# KiCad board [DFR1144][M027.00940](V1.0.0).kicad_pcb (continued)
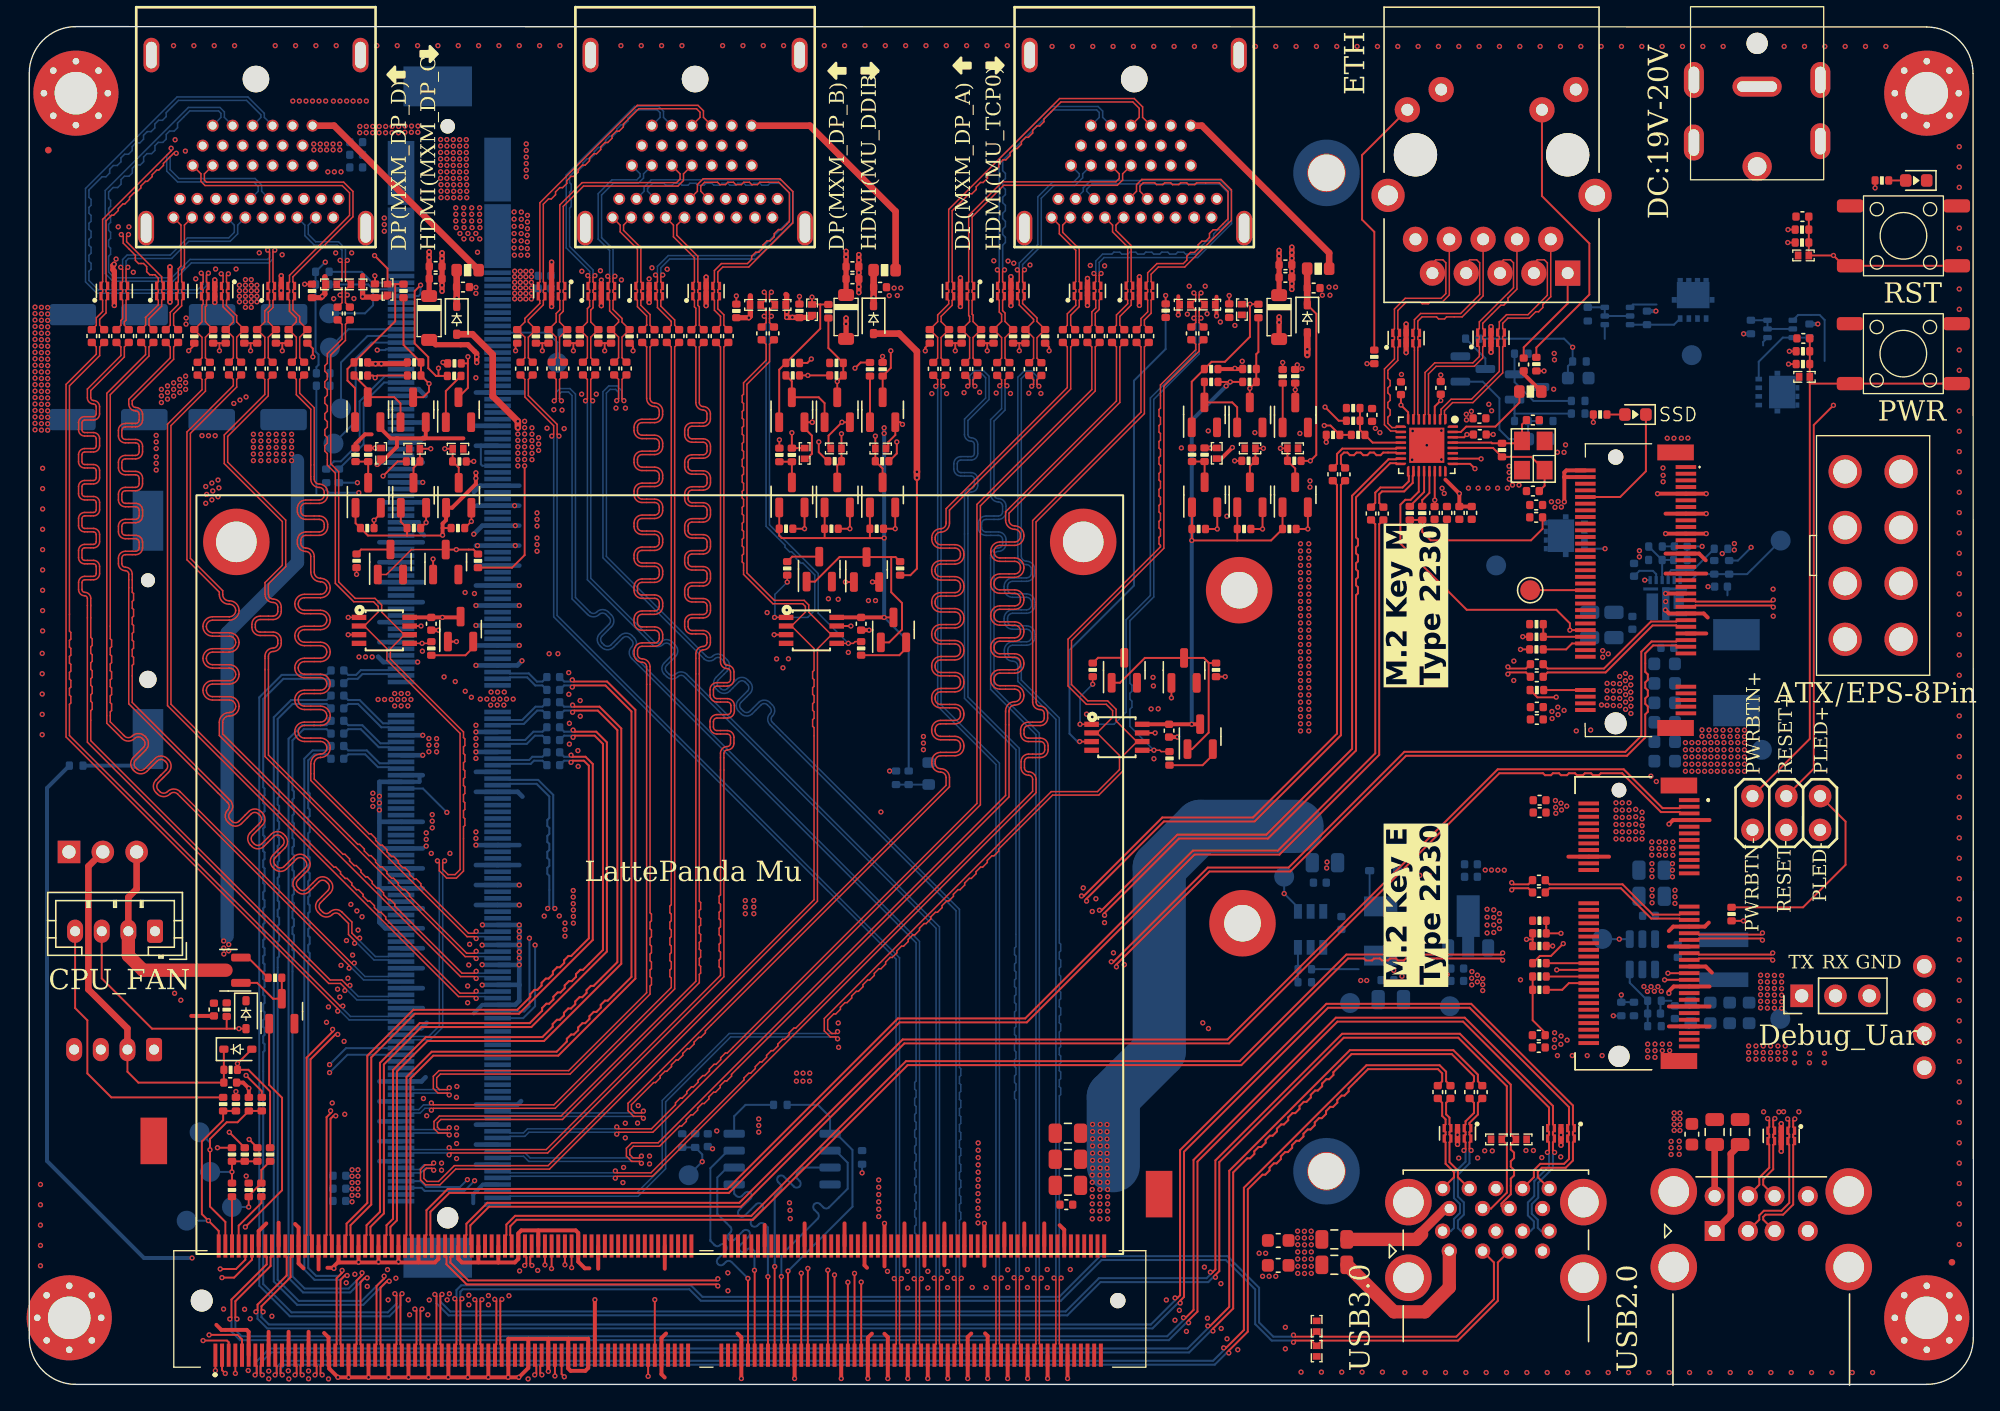
[diagram p0: board, top side]
## Routing (per net, layer and track width the routed paths; a pad name or vN(x,y) marks a point on that pad's centre or on a via; arc(x,y) is an arc through that point) (continued)
  In8.SIG4 w0.117: J11.265 36,17.51 36.12,17.39 37.23,17.39 37.61,17.01 45.83,17.01 v1(45.97,17.15)
/HDMI+DPA/MXM_DPA_TX2_DP: length 108.9
  In1.SIG1 w0.117: C152.1 81.64,77.94 81.64,73.88 73.32,65.55 73.32,64.92 arc(73.52,64.44) 74.01,64.24 arc(74.31,64.11) 74.43,63.81 74.43,63.71 arc(74.31,63.41) 74.01,63.29 72.89,63.29 arc(72.41,63.08) 72.2,62.6 72.2,62.51 arc(72.41,62.03) 72.89,61.83 74.01,61.83 arc(74.31,61.7) 74.44,61.4 74.44,61.32 arc(74.31,61.01) 74.01,60.89 72.89,60.89 arc(72.41,60.68) 72.2,60.2 72.2,60.11 arc(72.41,59.63) 72.89,59.43 74.01,59.43 arc(74.31,59.3) 74.44,59 74.44,58.92 arc(74.31,58.61) 74.01,58.49 72.89,58.49 arc(72.41,58.28) 72.2,57.8 72.2,57.71 arc(72.41,57.23) 72.89,57.03 74.01,57.03 arc(74.31,56.9) 74.44,56.6 74.44,56.52 arc(74.31,56.21) 74.01,56.09 72.89,56.09 arc(72.41,55.88) 72.2,55.4 72.2,55.31 arc(72.41,54.83) 72.89,54.63 74.01,54.63 arc(74.31,54.5) 74.44,54.2 74.44,54.12 arc(74.31,53.81) 74.01,53.69 72.89,53.69 arc(72.41,53.48) 72.2,53 72.2,52.92 arc(72.41,52.43) 72.89,52.23 74.01,52.23 arc(74.31,52.1) 74.43,51.8 74.43,51.71 arc(74.31,51.41) 74.01,51.29 arc(73.52,51.08) 73.32,50.6 73.32,44.24 47.23,18.15 45.25,18.15 44.84,17.74 44.84,17.15 45.24,16.75 45.83,16.75 v1(45.97,16.61)
  In8.SIG4 w0.117: v1(45.97,16.61) 45.83,16.75 37.51,16.75 37.12,17.13 36.12,17.13 36,17.01 J11.267
/HDMI+DPA/MXM_DPA_TX3_DN: length 95.1
  In1.SIG1 w0.117: v1(44.01,16.03) 44.15,15.89 46.69,15.89 53.67,22.88 53.67,23.02 54.02,23.37 54.17,23.37 54.52,23.72 54.52,23.87 54.87,24.22 55.02,24.22 55.37,24.57 55.37,24.72 55.72,25.07 55.87,25.07 56.22,25.42 56.22,25.57 56.57,25.92 56.72,25.92 57.07,26.27 57.07,26.42 57.42,26.77 57.56,26.77 58.22,27.42 75.35,44.55 75.35,45.46 arc(75.26,45.67) 75.04,45.76 arc(74.65,45.93) 74.48,46.33 74.48,46.78 arc(74.65,47.18) 75.04,47.35 75.93,47.35 arc(76.16,47.44) 76.26,47.67 76.26,47.97 arc(76.16,48.2) 75.93,48.29 75.03,48.29 arc(74.62,48.46) 74.45,48.87 74.45,49.17 arc(74.62,49.58) 75.03,49.75 75.92,49.75 arc(76.13,49.84) 76.22,50.06 76.22,50.38 arc(76.13,50.6) 75.92,50.69 arc(75.52,50.86) 75.35,51.26 75.35,64.89 83.49,73.03 83.49,77.94 C155.1
  In8.SIG4 w0.117: J11.271 36,16.01 36.12,15.89 43.87,15.89 v1(44.01,16.03)
/HDMI+DPA/MXM_DPA_TX3_DP: length 95.1
  In1.SIG1 w0.117: v1(44.01,15.49) 44.15,15.63 46.79,15.63 75.61,44.45 75.61,45.46 arc(75.44,45.85) 75.04,46.02 arc(74.83,46.11) 74.74,46.33 74.74,46.78 arc(74.83,47) 75.04,47.09 75.93,47.09 arc(76.34,47.26) 76.51,47.67 76.51,47.97 arc(76.34,48.38) 75.93,48.55 75.03,48.55 arc(74.8,48.64) 74.7,48.87 74.7,49.17 arc(74.8,49.4) 75.03,49.49 75.92,49.49 arc(76.31,49.66) 76.48,50.06 76.48,50.38 arc(76.31,50.78) 75.92,50.95 arc(75.7,51.04) 75.61,51.26 75.61,64.79 83.74,72.92 83.74,77.94 C154.1
  In8.SIG4 w0.117: J11.273 36,15.51 36.12,15.63 43.87,15.63 v1(44.01,15.49)
/HDMI+DPA/TMDS_0_CK+: length 32.6
  In1.SIG1 w0.117: C7.2 68.48,77.1 68.48,78.65 R9.1 68.48,79.84 68.48,80.23 69.31,81.07 69.31,81.43 69.43,81.55 U1.7 69.43,81.93 69.31,82.05 69.31,82.21 69.43,82.33 U1.4 69.43,82.7 69.31,82.83 69.31,88.17 70.58,89.44 70.79,89.44 71.11,89.76 71.11,89.97 71.43,90.29 71.64,90.29 71.96,90.61 71.96,90.82 72.28,91.14 72.49,91.14 72.81,91.46 72.81,91.67 73.13,91.99 73.34,91.99 73.66,92.31 73.66,92.52 73.98,92.84 74.19,92.84 74.51,93.16 74.51,93.37 74.83,93.69 75.03,93.69 75.35,94.01 75.35,94.21 75.68,94.54 75.88,94.54 76.2,94.86 76.2,95.06 77.48,96.34 82.88,96.34 83.35,95.87 83.35,95.18 U31.H10
/HDMI+DPA/TMDS_0_CK-: length 32.6
  In1.SIG1 w0.117: U31.H12 83.61,95.18 83.61,95.97 82.98,96.6 77.37,96.6 69.05,88.27 69.05,82.83 68.93,82.7 U1.5 68.93,82.33 69.05,82.21 69.05,82.05 68.93,81.93 U1.6 68.93,81.55 69.05,81.43 69.05,81.17 68.22,80.34 68.22,79.84 R8.1 68.22,78.65 68.22,77.1 C8.2
/HDMI+DPA/TMDS_0_D0+: length 25.6
  In1.SIG1 w0.117: C5.2 70.62,77.1 70.62,78.64 R11.1 70.62,79.84 70.62,80.22 70.55,80.29 70.55,81.43 70.43,81.55 U1.9 70.43,81.93 70.55,82.05 70.55,82.21 70.43,82.33 U1.2 70.43,82.7 70.55,82.83 70.55,87.81 73.08,90.34 81.61,90.34 81.85,90.58 81.85,90.94 U31.H7
/HDMI+DPA/TMDS_0_D0-: length 25.6
  In1.SIG1 w0.117: U31.H9 82.11,90.94 82.11,90.48 81.71,90.08 73.18,90.08 70.81,87.71 70.81,82.83 70.93,82.7 U1.1 70.93,82.33 70.81,82.21 70.81,82.05 70.93,81.93 U1.10 70.93,81.55 70.81,81.43 70.81,80.4 70.88,80.33 70.88,79.84 R10.1 70.88,78.64 70.88,77.1 C6.2
/HDMI+DPA/TMDS_0_D1+: length 27.2
  In1.SIG1 w0.117: v1(73.24,83.73) 73.1,83.58 73.1,82.83 73.22,82.71 U2.9 73.22,82.34 73.1,82.22 73.1,82.06 73.22,81.94 U2.2 73.22,81.56 73.1,81.44 73.1,80.66 73.28,80.48 73.28,79.85 R15.1 73.28,78.64 73.28,77.09 C3.2
  In8.SIG4 w0.117: U31.H4 80.35,95.18 80.35,95.55 80.16,95.74 76.89,95.74 73.1,91.95 73.1,91.18 73.3,90.98 73.3,90.58 73.1,90.38 73.1,89.98 73.3,89.78 73.3,89.38 73.1,89.18 73.1,88.78 73.3,88.58 73.3,88.18 73.1,87.98 73.1,87.58 73.3,87.38 73.3,86.98 73.1,86.78 73.1,86.38 73.3,86.18 73.3,85.78 73.1,85.58 73.1,83.87 v1(73.24,83.73)
/HDMI+DPA/TMDS_0_D1-: length 27.2
  In1.SIG1 w0.117: C4.2 73.02,77.09 73.02,78.64 R14.1 73.02,79.85 73.02,80.38 72.84,80.56 72.84,81.44 72.72,81.56 U2.1 72.72,81.94 72.84,82.06 72.84,82.22 72.72,82.34 U2.10 72.72,82.71 72.84,82.83 72.84,83.58 v1(72.7,83.73)
  In8.SIG4 w0.117: v1(72.7,83.73) 72.84,83.87 72.84,92.05 76.79,96 80.26,96 80.61,95.65 80.61,95.18 U31.H6
/HDMI+DPA/TMDS_0_D2+: length 19.3
  In1.SIG1 w0.117: v1(74.2,83.73) 74.34,83.59 74.34,82.83 74.22,82.71 U2.7 74.22,82.34 74.34,82.22 74.34,82.06 74.22,81.94 U2.4 74.22,81.56 74.34,81.44 74.34,81.09 75.42,80.01 75.42,79.85 R18.1 75.42,78.63 75.42,77.08 C1.2
  In8.SIG4 w0.117: v1(74.2,83.73) 74.34,83.87 74.34,84.23 75.74,85.63 75.74,89.21 76.85,90.32 78.42,90.32 78.85,90.75 78.85,90.94 U31.H1
/HDMI+DPA/TMDS_0_D2-: length 19.3
  In1.SIG1 w0.117: v1(74.74,83.73) 74.6,83.59 74.6,82.83 74.72,82.71 U2.6 74.72,82.34 74.6,82.22 74.6,82.06 74.72,81.94 U2.5 74.72,81.56 74.6,81.44 74.6,81.19 75.68,80.11 75.68,79.85 R17.1 75.68,78.63 75.68,77.08 C2.2
  In8.SIG4 w0.117: U31.H3 79.11,90.94 79.11,90.65 78.52,90.06 76.95,90.06 76,89.11 76,85.53 74.6,84.13 74.6,83.87 v1(74.74,83.73)
/HDMI+DPA/TMDS_0_HPD: length 27.6
  In1.SIG1 w0.15: R12.2 D2.2
  In6.SIG3 w0.15: v1(88.72,70.34) 92.28,73.9 92.28,89.74 90.46,91.56 U31.H19
/HDMI+DPA/TMDS_0_SCL: length 31
  In1.SIG1 w0.15: Q2.3 91.67,68.97 R16.2 D1.2 92.08,70.32 v1(92.68,70.32)
  In6.SIG3 w0.15: v1(92.68,70.32) 92.68,89.76 90.21,92.24 86.41,92.24 U31.H15
/HDMI+DPA/TMDS_0_SDA: length 32.5
  In1.SIG1 w0.15: v1(93.96,70.32) D3.2 94.49,70.31 R19.2 95.07,68.8 Q3.3
  In6.SIG3 w0.15: U31.H16 86.41,93.89 88.98,93.89 93.05,89.82 93.05,71.23 v1(93.96,70.32)
/HDMI+DPB/ACT_DONGLE_DET_DPB: length 15.7
  In1.SIG1 w0.15: R130.2 65.05,62.15 64.73,62.15 ; 64.73,62.15 64.73,59.51 65.54,58.7 65.54,56.7 64.58,55.74 Q27.1 ; 64.73,62.15 Q28.3 60.85,62.15 59,60.31 Q26.1
/HDMI+DPB/ACT_DONGLE_DET_DPB_N: length 45.8
  In1.SIG1 w0.15: R25.1 v1(53.1,81.77) ; Q28.1 v1(61.29,60.28) ; U22.7 v1(61.7,56.97) ; U22.3 v1(55.94,56.32)
  In6.SIG3 w0.15: U11.D13 51.8,83.97 53.1,82.67 v1(53.1,81.77) 53.1,59.16 v1(55.94,56.32) 61.05,56.32 v1(61.7,56.97) 61.7,59.87 v1(61.29,60.28)
/HDMI+DPB/DPB_AUX+: length 41.4
  In1.SIG1 w0.117: R128.1 v1(56.92,60.27) ; U22.1 55.97,57.62 ; C18.2 55.33,79.77 55.33,80.1 v1(55.19,80.24) 55.33,80.39 55.33,80.59 55.33,80.69 D6.2 55.33,81.5 55.33,81.91 v1(55.19,82.05)
  In6.SIG3 w0.117: v1(55.19,82.05) 55.33,82.19 55.33,83.54 53.67,85.2 53.67,87.09 U11.D15
  In8.SIG4 w0.117: v1(56.92,60.27) 56,59.34 56,57.64 v1(55.97,57.62) 58.46,57.62 58.99,58.15 58.99,60.81 58.1,61.7 57.95,61.7 57.6,62.05 57.6,62.2 57.25,62.55 57.1,62.55 56.75,62.89 56.75,63.05 55.33,64.46 55.33,80.1 v1(55.19,80.24)
/HDMI+DPB/DPB_AUX-: length 38.8
  In1.SIG1 w0.117: C80.2 55.59,79.77 55.59,80.1 v1(55.73,80.24) 55.59,80.39 55.59,80.69 D5.2 55.59,81.5 55.59,81.91 v1(55.73,82.05) ; R129.1 62.02,55.8 61.89,55.67 v1(61.51,55.67) ; U22.5 61.51,55.67
  In6.SIG3 w0.117: U11.D17 53.93,87.09 53.93,85.3 55.59,83.64 55.59,82.19 v1(55.73,82.05)
  In8.SIG4 w0.117: v1(55.73,80.24) 55.59,80.1 55.59,64.57 59.25,60.91 59.25,57.93 v1(61.51,55.67)
/HDMI+DPB/DPB_D0+: length 9.8
  In1.SIG1 w0.117: U11.D1 44.37,87.09 44.37,86.59 45.67,85.29 45.67,82.83 45.55,82.7 U3.10 45.55,82.33 45.67,82.21 45.67,82.05 45.55,81.93 U3.1 45.55,81.55 45.67,81.43 45.67,80.96 46.36,80.26 46.36,79.57 C10.2
/HDMI+DPB/DPB_D0-: length 9.8
  In1.SIG1 w0.117: C11.2 46.62,79.57 46.62,80.37 45.93,81.06 45.93,81.43 46.05,81.55 U3.2 46.05,81.93 45.93,82.05 45.93,82.21 46.05,82.33 U3.9 46.05,82.7 45.93,82.83 45.93,85.39 44.63,86.69 44.63,87.09 U11.D3
/HDMI+DPB/DPB_D1+: length 32
  In1.SIG1 w0.117: v1(47.57,83.34) 47.43,83.2 47.43,82.83 47.55,82.7 U3.6 47.55,82.33 47.43,82.21 47.43,82.05 47.55,81.93 U3.5 47.55,81.55 47.43,81.43 47.43,81 48.47,79.96 48.47,79.57 C12.2
  In8.SIG4 w0.117: U11.D4 46.17,89.63 46.17,89.95 46.71,90.49 56.45,90.49 57.36,89.58 57.36,87.35 54.55,84.54 48.09,84.54 47.43,83.88 47.43,83.48 v1(47.57,83.34)
/HDMI+DPB/DPB_D1-: length 32
  In1.SIG1 w0.117: C13.2 48.21,79.57 48.21,79.86 47.17,80.9 47.17,81.43 47.05,81.55 U3.4 47.05,81.93 47.17,82.05 47.17,82.21 47.05,82.33 U3.7 47.05,82.7 47.17,82.83 47.17,83.2 v1(47.03,83.34)
  In8.SIG4 w0.117: U11.D6 46.43,89.63 46.43,89.85 46.81,90.23 47.67,90.23 47.81,90.08 48.27,90.08 48.41,90.23 48.87,90.23 49.01,90.08 49.47,90.08 49.61,90.23 50.07,90.23 50.21,90.08 50.67,90.08 50.81,90.23 51.27,90.23 51.41,90.08 51.87,90.08 52.01,90.23 52.47,90.23 52.61,90.08 53.07,90.08 53.21,90.23 53.67,90.23 53.81,90.08 54.27,90.08 54.41,90.23 54.87,90.23 55.01,90.08 55.47,90.08 55.61,90.23 56.35,90.23 57.1,89.48 57.1,87.45 54.45,84.8 47.99,84.8 47.17,83.98 47.17,83.48 v1(47.03,83.34)
/HDMI+DPB/DPB_D2+: length 9.7
  In1.SIG1 w0.117: U11.D7 48.37,87.09 48.37,86.22 49.95,84.64 49.95,82.83 49.83,82.7 U4.10 49.83,82.33 49.95,82.21 49.95,82.05 49.83,81.93 U4.1 49.83,81.55 49.95,81.43 49.95,80.96 50.06,80.85 50.06,79.57 C14.2
/HDMI+DPB/DPB_D2-: length 9.7
  In1.SIG1 w0.117: U11.D9 48.63,87.09 48.63,86.32 50.21,84.74 50.21,82.83 50.33,82.7 U4.9 50.33,82.33 50.21,82.21 50.21,82.05 50.33,81.93 U4.2 50.33,81.55 50.21,81.43 50.21,81.06 50.32,80.95 50.32,79.57 C15.2
/HDMI+DPB/DPB_D3+: length 23.4
  In1.SIG1 w0.117: C16.2 52.16,79.57 52.16,80.35 51.71,80.8 51.71,81.43 51.83,81.55 U4.5 51.83,81.93 51.71,82.05 51.71,82.21 51.83,82.33 U4.6 51.83,82.7 51.71,82.83 51.71,83.57 52.08,83.94 54.03,83.94 57.34,87.25 57.34,89.61 56.38,90.57 50.61,90.57 50.17,90.13 50.17,89.63 U11.D10
/HDMI+DPB/DPB_D3-: length 23.4
  In1.SIG1 w0.117: C17.2 51.91,79.57 51.91,80.24 51.45,80.7 51.45,81.43 51.33,81.55 U4.4 51.33,81.93 51.45,82.05 51.45,82.21 51.33,82.33 U4.7 51.33,82.7 51.45,82.83 51.45,83.67 51.98,84.2 53.93,84.2 54.25,84.52 54.25,84.74 54.56,85.05 54.78,85.05 55.1,85.37 55.1,85.59 55.41,85.9 55.63,85.9 55.94,86.21 55.94,86.44 56.25,86.75 56.48,86.75 57.08,87.35 57.08,89.51 56.28,90.31 54.86,90.31 54.68,90.13 54.26,90.13 54.08,90.31 53.66,90.31 53.48,90.13 53.06,90.13 52.88,90.31 52.46,90.31 52.28,90.13 51.86,90.13 51.68,90.31 50.71,90.31 50.43,90.03 50.43,89.63 U11.D12
/HDMI+DPB/DPB_HPD: length 21.2
  In1.SIG1 w0.15: 59.4,81.13 59.4,79.31 R24.1 56.32,76.23 Q6.1 ; 59.4,81.13 D7.2 58.78,81.68 v1(58.78,81.68) ; 59.4,81.13 60.01,81.13 R102.2
  In3.SIG2 w0.15: U11.D18 55.62,88.34 56.08,88.34 56.97,87.45 56.97,85.45 58.78,83.64 v1(58.78,81.68)
/HDMI+DPB/LP_DDIB_HPD: length 77
  In1.SIG1 w0.15: Q15.2 v1(58.22,64.28) R92.2 ; v1(61.48,7.67) A1.183
  In3.SIG2 w0.15: v1(61.48,7.67) 60.28,7.67 59.5,8.45 59.5,15.99 65.76,22.24 65.76,64.58 65.27,65.07 59.01,65.07 v1(58.22,64.28)
/HDMI+DPB/LP_DDIB_SCL: length 71.8
  In1.SIG1 w0.15: Q16.2 v1(61.63,64.28) R93.2 ; A1.171 58.47,2.2 v1(58.47,8.71)
  In3.SIG2 w0.15: v1(58.47,8.71) 58.47,15.38 65.46,22.37 65.46,64.46 65.14,64.77 62.12,64.77 v1(61.63,64.28)
/HDMI+DPB/LP_DDIB_SDA: length 67.5
  In1.SIG1 w0.15: Q17.2 v1(65.03,64.28) R91.2 ; v1(57.98,8.35) A1.169
  In3.SIG2 w0.15: v1(57.98,8.35) 57.98,15.31 65.03,22.37 v1(65.03,64.28)
/HDMI+DPB/LP_DDIB_TX0+: length 95.2
  In1.SIG1 w0.117: v1(70,7.97) 69.85,7.83 69.85,3.04 69.98,2.92 A1.217 ; C71.1 44.26,75.5 44.26,74.04 v1(44.12,73.9)
  In8.SIG4 w0.117: v1(44.12,73.9) 44.26,74.04 44.26,74.52 44.03,74.75 43.62,74.75 43.34,74.47 43.34,62.2 50.84,54.7 arc(51.08,54.6) 51.31,54.7 arc(51.73,54.87) 52.14,54.7 52.42,54.43 arc(52.59,54.01) 52.42,53.59 51.76,52.93 arc(51.65,52.69) 51.76,52.44 51.93,52.27 arc(52.18,52.17) 52.42,52.27 53.09,52.94 arc(53.52,53.11) 53.95,52.94 54.12,52.76 arc(54.3,52.33) 54.12,51.91 53.45,51.24 arc(53.35,50.99) 53.45,50.75 53.63,50.57 arc(53.87,50.47) 54.12,50.57 54.78,51.23 arc(55.2,51.4) 55.61,51.23 55.81,51.03 arc(55.98,50.62) 55.81,50.2 arc(55.71,49.97) 55.81,49.73 56.57,48.97 69.85,35.69 69.85,23.81 69.96,23.71 69.96,23.21 69.85,23.11 69.85,22.61 69.96,22.51 69.96,22.01 69.85,21.91 69.85,21.41 69.96,21.31 69.96,20.81 69.85,20.71 69.85,20.21 69.96,20.11 69.96,19.61 69.85,19.51 69.85,19.01 69.96,18.91 69.96,18.41 69.85,18.31 69.85,17.81 69.96,17.71 69.96,17.21 69.85,17.11 69.85,16.61 69.96,16.51 69.96,16.01 69.85,15.91 69.85,15.41 69.96,15.31 69.96,14.81 69.85,14.71 69.85,14.21 69.96,14.11 69.96,13.61 69.85,13.51 69.85,13.01 69.96,12.91 69.96,12.41 69.85,12.31 69.85,8.11 v1(70,7.97)
/HDMI+DPB/LP_DDIB_TX0-: length 95.2
  In1.SIG1 w0.117: A1.215 69.48,2.92 69.6,3.04 69.6,7.83 v1(69.46,7.97) ; v1(44.66,73.9) 44.51,74.04 44.51,75.5 C72.1
  In8.SIG4 w0.117: v1(69.46,7.97) 69.6,8.11 69.6,35.58 56.39,48.79 55.63,49.55 arc(55.46,49.97) 55.63,50.38 arc(55.73,50.62) 55.63,50.85 55.43,51.05 arc(55.2,51.15) 54.96,51.05 54.3,50.39 arc(53.87,50.21) 53.45,50.39 53.27,50.57 arc(53.09,50.99) 53.27,51.42 53.94,52.09 arc(54.04,52.33) 53.94,52.58 53.76,52.76 arc(53.52,52.86) 53.27,52.76 52.6,52.09 arc(52.18,51.91) 51.75,52.09 51.57,52.26 arc(51.4,52.69) 51.57,53.12 52.23,53.78 arc(52.33,54.01) 52.23,54.25 51.96,54.52 arc(51.73,54.61) 51.49,54.52 arc(51.08,54.34) 50.66,54.52 43.08,62.1 43.08,74.57 43.51,75.01 44.13,75.01 44.51,74.63 44.51,74.04 v1(44.66,73.9)
/HDMI+DPB/LP_DDIB_TX1+: length 87.4
  In1.SIG1 w0.117: C73.1 42.17,75.5 42.17,74.03 v1(42.31,73.89) ; v1(68.5,7.98) 68.35,7.84 68.35,3.04 68.48,2.92 A1.211
  In8.SIG4 w0.117: v1(68.5,7.98) 68.35,8.12 68.35,34.37 49.37,53.35 arc(48.95,53.52) 48.53,53.35 arc(48.29,53.25) 48.05,53.35 47.86,53.54 arc(47.76,53.78) 47.86,54.02 48.53,54.68 arc(48.7,55.1) 48.53,55.52 48.27,55.78 arc(47.85,55.95) 47.43,55.78 arc(47.19,55.68) 46.95,55.78 42.17,60.56 42.17,73.75 v1(42.31,73.89)
/HDMI+DPB/LP_DDIB_TX1-: length 87.4
  In1.SIG1 w0.117: v1(67.96,7.98) 68.1,7.84 68.1,3.04 67.98,2.92 A1.209 ; C74.1 41.91,75.5 41.91,74.03 v1(41.77,73.89)
  In8.SIG4 w0.117: v1(41.77,73.89) 41.91,73.75 41.91,60.45 46.77,55.59 arc(47.19,55.42) 47.61,55.59 arc(47.85,55.69) 48.09,55.59 48.34,55.34 arc(48.44,55.1) 48.34,54.86 47.68,54.2 arc(47.51,53.78) 47.68,53.36 47.87,53.17 arc(48.29,52.99) 48.71,53.17 arc(48.95,53.27) 49.19,53.17 68.1,34.26 68.1,8.12 v1(67.96,7.98)
/HDMI+DPB/LP_DDIB_TX2+: length 91.9
  In1.SIG1 w0.117: v1(67,7.94) 66.85,7.8 66.85,3.04 66.98,2.92 A1.205 ; v1(39.42,73.89) 39.57,74.03 39.57,75.5 C75.1
  In8.SIG4 w0.117: v1(39.42,73.89) 39.57,74.03 39.57,74.53 39.85,74.81 40.6,74.81 41.02,74.39 41.02,59.11 42.11,58.02 arc(42.36,57.92) 42.62,58.02 arc(43.06,58.2) 43.49,58.02 43.72,57.79 arc(43.9,57.36) 43.72,56.92 43.02,56.22 arc(42.91,55.96) 43.02,55.69 43.16,55.55 arc(43.42,55.44) 43.69,55.55 44.39,56.25 arc(44.82,56.44) 45.26,56.25 45.42,56.1 arc(45.6,55.66) 45.42,55.22 arc(45.31,54.97) 45.42,54.72 66.85,33.28 66.85,8.08 v1(67,7.94)
/HDMI+DPB/LP_DDIB_TX2-: length 91.9
  In1.SIG1 w0.117: C76.1 39.82,75.5 39.82,74.03 v1(39.96,73.89) ; v1(66.46,7.94) 66.6,7.8 66.6,3.04 66.48,2.92 A1.203
  In8.SIG4 w0.117: v1(66.46,7.94) 66.6,8.08 66.6,11.28 66.49,11.38 66.49,11.88 66.6,11.98 66.6,12.48 66.49,12.58 66.49,13.08 66.6,13.18 66.6,13.68 66.49,13.78 66.49,14.28 66.6,14.38 66.6,14.88 66.49,14.98 66.49,15.48 66.6,15.58 66.6,16.08 66.49,16.18 66.49,16.68 66.6,16.78 66.6,17.28 66.49,17.38 66.49,17.88 66.6,17.98 66.6,18.48 66.49,18.58 66.49,19.08 66.6,19.18 66.6,19.68 66.49,19.78 66.49,20.28 66.6,20.38 66.6,20.88 66.49,20.98 66.49,21.48 66.6,21.58 66.6,22.08 66.49,22.18 66.49,22.68 66.6,22.78 66.6,33.17 45.24,54.53 arc(45.06,54.97) 45.24,55.41 arc(45.34,55.66) 45.24,55.92 45.08,56.07 arc(44.82,56.18) 44.57,56.07 43.87,55.37 arc(43.42,55.19) 42.98,55.37 42.84,55.51 arc(42.65,55.96) 42.84,56.4 43.54,57.1 arc(43.64,57.36) 43.54,57.61 43.31,57.84 arc(43.06,57.95) 42.8,57.84 arc(42.36,57.66) 41.93,57.84 40.76,59.01 40.76,74.29 40.5,74.55 39.95,74.55 39.82,74.42 39.82,74.03 v1(39.96,73.89)
/HDMI+DPB/LP_DDIB_TX3+: length 85.6
  In1.SIG1 w0.117: C77.1 37.48,75.5 37.48,74.29 39.64,72.12 39.64,71.38 v1(39.78,71.24) ; v1(65.5,7.95) 65.35,7.81 65.35,3.04 65.48,2.92 A1.199
  In8.SIG4 w0.117: v1(39.78,71.24) 39.64,71.1 39.64,57.76 65.35,32.05 65.35,8.09 v1(65.5,7.95)
/HDMI+DPB/LP_DDIB_TX3-: length 85.6
  In1.SIG1 w0.117: v1(39.24,71.24) 39.38,71.38 39.38,72.02 37.22,74.18 37.22,75.5 C78.1 ; A1.197 64.98,2.92 65.1,3.04 65.1,7.81 v1(64.96,7.95)
  In8.SIG4 w0.117: v1(39.24,71.24) 39.38,71.1 39.38,57.66 65.1,31.94 65.1,8.09 v1(64.96,7.95)
/HDMI+DPB/MXM_DPB_AUX_N: length 91.6
  In1.SIG1 w0.117: C80.1 55.59,78.14 55.59,76.83 53.9,75.14 53.9,60.95 55.95,58.9 58.19,58.9 58.54,58.55 58.54,58.01 60.23,56.32 U22.6 60.25,56.32 59.19,55.26 59.19,36.3 39.07,16.17 32.02,16.17 30.84,14.99 29.76,14.99 29.38,15.37 29.38,16.14 29.73,16.49 30.23,16.49 v1(30.37,16.63)
  In8.SIG4 w0.117: J11.270 28.75,16.26 28.87,16.14 29.28,16.14 29.63,16.49 30.23,16.49 v1(30.37,16.63)
/HDMI+DPB/MXM_DPB_AUX_P: length 91.6
  In1.SIG1 w0.117: 57.24,56.97 58.28,58.01 58.28,58.44 58.09,58.64 55.85,58.64 53.64,60.85 53.64,61.68 53.54,61.79 53.54,62.28 53.64,62.39 53.64,62.88 53.54,62.99 53.54,63.48 53.64,63.59 53.64,64.08 53.54,64.19 53.54,64.68 53.64,64.79 53.64,65.28 53.54,65.39 53.54,65.88 53.64,65.99 53.64,66.48 53.54,66.59 53.54,67.08 53.64,67.19 53.64,67.68 53.54,67.79 53.54,68.28 53.64,68.39 53.64,68.88 53.54,68.99 53.54,69.48 53.64,69.59 53.64,70.08 53.54,70.19 53.54,70.68 53.64,70.79 53.64,71.28 53.54,71.39 53.54,71.88 53.64,71.99 53.64,72.48 53.54,72.59 53.54,73.08 53.64,73.19 53.64,73.68 53.54,73.79 53.54,74.28 53.64,74.39 53.64,75.24 55.33,76.94 55.33,78.14 C18.1 ; 57.24,56.97 58.93,55.28 58.93,53.64 58.83,53.54 58.83,53.04 58.93,52.94 58.93,52.44 58.83,52.34 58.83,51.84 58.93,51.74 58.93,51.24 58.83,51.14 58.83,50.64 58.93,50.54 58.93,50.04 58.83,49.94 58.83,49.44 58.93,49.34 58.93,36.4 38.96,16.43 31.92,16.43 30.73,15.25 29.87,15.25 29.64,15.47 29.64,16.04 29.83,16.23 30.23,16.23 v1(30.37,16.09) ; 57.24,56.97 U22.2 57.24,56.97
  In8.SIG4 w0.117: J11.272 28.75,15.76 28.87,15.88 29.39,15.88 29.73,16.23 30.23,16.23 v1(30.37,16.09)
/HDMI+DPB/MXM_DPB_HPD: length 83.5
  In1.SIG1 w0.15: Q5.3 v1(60.68,75.34) R22.2 R21.1 60.01,77.86 R102.1
  In3.SIG2 w0.15: v1(60.68,75.34) 59.94,74.61 59.94,68.25 52.92,61.23 52.92,43.39 32.9,23.37 v1(32.9,15.38)
  In8.SIG4 w0.15: v1(32.9,15.38) 32.35,14.83 29.82,14.83 29.39,15.26 J11.274
/HDMI+DPB/MXM_DPB_TX0_DN: length 97
  In1.SIG1 w0.117: v1(31.54,22.28) 31.4,22.14 30.8,22.14 30.6,22.34 30.6,23.04 30.87,23.31 40.61,23.31 46.62,29.32 46.62,29.93 46.72,30.03 46.72,30.53 46.62,30.63 46.62,31.13 46.72,31.23 46.72,31.73 46.62,31.83 46.62,32.33 46.72,32.43 46.72,32.93 46.62,33.03 46.62,33.53 46.72,33.63 46.72,34.13 46.62,34.23 46.62,34.73 46.72,34.83 46.72,35.33 46.62,35.43 46.62,53.91 arc(46.44,54.33) 46.02,54.51 arc(45.78,54.61) 45.68,54.85 45.68,55.11 arc(45.78,55.35) 46.02,55.45 46.97,55.45 arc(47.39,55.63) 47.57,56.05 47.57,56.3 arc(47.39,56.73) 46.97,56.91 46.02,56.91 arc(45.77,57.01) 45.67,57.25 45.67,57.5 arc(45.77,57.75) 46.02,57.85 46.97,57.85 arc(47.39,58.03) 47.57,58.45 47.57,58.7 arc(47.39,59.13) 46.97,59.31 46.02,59.31 arc(45.77,59.41) 45.67,59.65 45.67,59.9 arc(45.77,60.15) 46.02,60.25 46.97,60.25 arc(47.39,60.43) 47.57,60.85 47.57,61.1 arc(47.39,61.53) 46.97,61.71 46.02,61.71 arc(45.77,61.81) 45.67,62.05 45.67,62.3 arc(45.77,62.55) 46.02,62.65 46.97,62.65 arc(47.39,62.83) 47.57,63.25 47.57,63.5 arc(47.39,63.93) 46.97,64.11 46.02,64.11 arc(45.77,64.21) 45.67,64.45 45.67,64.7 arc(45.77,64.95) 46.02,65.05 46.97,65.05 arc(47.39,65.23) 47.57,65.65 47.57,65.9 arc(47.39,66.33) 46.97,66.51 46.02,66.51 arc(45.77,66.61) 45.67,66.85 45.67,67.1 arc(45.77,67.35) 46.02,67.45 46.97,67.45 arc(47.39,67.63) 47.57,68.05 47.57,68.3 arc(47.39,68.73) 46.97,68.91 46.02,68.91 arc(45.77,69.01) 45.67,69.25 45.67,69.5 arc(45.77,69.75) 46.02,69.85 46.97,69.85 arc(47.39,70.03) 47.57,70.45 47.57,70.7 arc(47.39,71.13) 46.97,71.31 46.02,71.31 arc(45.77,71.41) 45.67,71.65 45.67,71.9 arc(45.77,72.15) 46.02,72.25 46.96,72.25 arc(47.39,72.42) 47.56,72.85 47.56,73.12 arc(47.39,73.55) 46.96,73.72 arc(46.72,73.82) 46.62,74.07 46.62,77.94 C11.1
  In8.SIG4 w0.117: v1(31.54,22.28) 31.4,22.14 28.87,22.14 28.75,22.26 J11.246
/HDMI+DPB/MXM_DPB_TX0_DP: length 97
  In1.SIG1 w0.117: v1(31.54,21.74) 31.4,21.88 30.69,21.88 30.34,22.24 30.34,23.14 30.77,23.57 40.51,23.57 46.36,29.43 46.36,53.91 arc(46.26,54.15) 46.02,54.25 arc(45.6,54.42) 45.42,54.85 45.42,55.11 arc(45.6,55.53) 46.02,55.71 46.97,55.71 arc(47.21,55.81) 47.31,56.05 47.31,56.3 arc(47.21,56.55) 46.97,56.65 46.02,56.65 arc(45.59,56.83) 45.42,57.25 45.42,57.5 arc(45.59,57.93) 46.02,58.11 46.97,58.11 arc(47.21,58.21) 47.31,58.45 47.31,58.7 arc(47.21,58.95) 46.97,59.05 46.02,59.05 arc(45.59,59.23) 45.42,59.65 45.42,59.9 arc(45.59,60.33) 46.02,60.51 46.97,60.51 arc(47.21,60.61) 47.31,60.85 47.31,61.1 arc(47.21,61.35) 46.97,61.45 46.02,61.45 arc(45.59,61.63) 45.42,62.05 45.42,62.3 arc(45.59,62.73) 46.02,62.91 46.97,62.91 arc(47.21,63.01) 47.31,63.25 47.31,63.5 arc(47.21,63.75) 46.97,63.85 46.02,63.85 arc(45.59,64.03) 45.42,64.45 45.42,64.7 arc(45.59,65.13) 46.02,65.31 46.97,65.31 arc(47.21,65.41) 47.31,65.65 47.31,65.9 arc(47.21,66.15) 46.97,66.25 46.02,66.25 arc(45.59,66.43) 45.42,66.85 45.42,67.1 arc(45.59,67.53) 46.02,67.71 46.97,67.71 arc(47.21,67.81) 47.31,68.05 47.31,68.3 arc(47.21,68.55) 46.97,68.65 46.02,68.65 arc(45.59,68.83) 45.42,69.25 45.42,69.5 arc(45.59,69.93) 46.02,70.11 46.97,70.11 arc(47.21,70.21) 47.31,70.45 47.31,70.7 arc(47.21,70.95) 46.97,71.05 46.02,71.05 arc(45.59,71.23) 45.42,71.65 45.42,71.9 arc(45.59,72.33) 46.02,72.51 46.96,72.51 arc(47.21,72.61) 47.31,72.85 47.31,73.12 arc(47.21,73.37) 46.96,73.47 arc(46.54,73.64) 46.36,74.07 46.36,77.94 C10.1
  In8.SIG4 w0.117: v1(31.54,21.74) 31.4,21.88 28.87,21.88 28.75,21.76 J11.248
/HDMI+DPB/MXM_DPB_TX1_DN: length 73.3
  In1.SIG1 w0.117: v1(30.2,21.14) 30.34,21 39.4,21 48.21,29.81 48.21,30.53 48.11,30.63 48.11,31.13 48.21,31.23 48.21,31.73 48.11,31.83 48.11,32.33 48.21,32.43 48.21,32.93 48.11,33.03 48.11,33.53 48.21,33.63 48.21,34.13 48.11,34.23 48.11,34.73 48.21,34.83 48.21,35.33 48.11,35.43 48.11,35.93 48.21,36.03 48.21,77.94 C13.1
  In8.SIG4 w0.117: J11.252 28.75,20.76 28.87,20.64 29.25,20.64 29.61,21 30.05,21 v1(30.2,21.14)
/HDMI+DPB/MXM_DPB_TX1_DP: length 73.3
  In1.SIG1 w0.117: C12.1 48.47,77.94 48.47,29.71 39.5,20.74 30.34,20.74 v1(30.2,20.6)
  In8.SIG4 w0.117: v1(30.2,20.6) 30.05,20.74 29.71,20.74 29.36,20.38 28.87,20.38 28.75,20.26 J11.254
/HDMI+DPB/MXM_DPB_TX2_DN: length 97.2
  In1.SIG1 w0.117: v1(31.54,19.28) 31.4,19.14 30.83,19.14 30.65,19.32 30.65,19.65 30.9,19.9 40.04,19.9 50.32,30.18 50.32,30.8 50.42,30.9 50.42,31.4 50.32,31.5 50.32,32 50.42,32.1 50.42,32.6 50.32,32.7 50.32,33.2 50.42,33.3 50.42,33.8 50.32,33.9 50.32,34.4 50.42,34.5 50.42,35 50.32,35.1 50.32,35.6 50.42,35.7 50.42,36.2 50.32,36.3 50.32,54.89 arc(50.4,55.09) 50.6,55.18 arc(50.99,55.34) 51.15,55.72 51.15,56.09 arc(50.99,56.48) 50.6,56.64 49.77,56.64 arc(49.56,56.72) 49.48,56.93 49.48,57.29 arc(49.56,57.49) 49.77,57.58 50.61,57.58 arc(51,57.74) 51.16,58.13 51.16,58.49 arc(51,58.87) 50.61,59.04 49.77,59.04 arc(49.56,59.12) 49.48,59.33 49.48,59.69 arc(49.56,59.89) 49.77,59.98 50.61,59.98 arc(51,60.14) 51.16,60.53 51.16,60.89 arc(51,61.27) 50.61,61.44 49.77,61.44 arc(49.56,61.52) 49.48,61.73 49.48,62.09 arc(49.56,62.29) 49.77,62.38 50.61,62.38 arc(51,62.54) 51.16,62.93 51.16,63.29 arc(51,63.67) 50.61,63.84 49.77,63.84 arc(49.56,63.92) 49.48,64.13 49.48,64.49 arc(49.56,64.69) 49.77,64.78 50.61,64.78 arc(51,64.94) 51.16,65.33 51.16,65.69 arc(51,66.07) 50.61,66.24 49.77,66.24 arc(49.56,66.32) 49.48,66.53 49.48,66.89 arc(49.56,67.09) 49.77,67.18 50.61,67.18 arc(51,67.34) 51.16,67.73 51.16,68.09 arc(51,68.47) 50.61,68.64 49.77,68.64 arc(49.56,68.72) 49.48,68.93 49.48,69.29 arc(49.56,69.49) 49.77,69.58 50.61,69.58 arc(51,69.74) 51.16,70.13 51.16,70.49 arc(51,70.87) 50.61,71.04 49.77,71.04 arc(49.56,71.12) 49.48,71.33 49.48,71.69 arc(49.56,71.89) 49.77,71.98 50.6,71.98 arc(50.99,72.14) 51.15,72.52 51.15,72.91 arc(50.99,73.3) 50.6,73.46 arc(50.4,73.54) 50.32,73.75 50.32,77.94 C15.1
  In8.SIG4 w0.117: v1(31.54,19.28) 31.4,19.14 28.87,19.14 28.75,19.26 J11.258
